# Altium PCB PCB-Tester-Board-V1.PcbDoc (part 2 of 7) (continued)
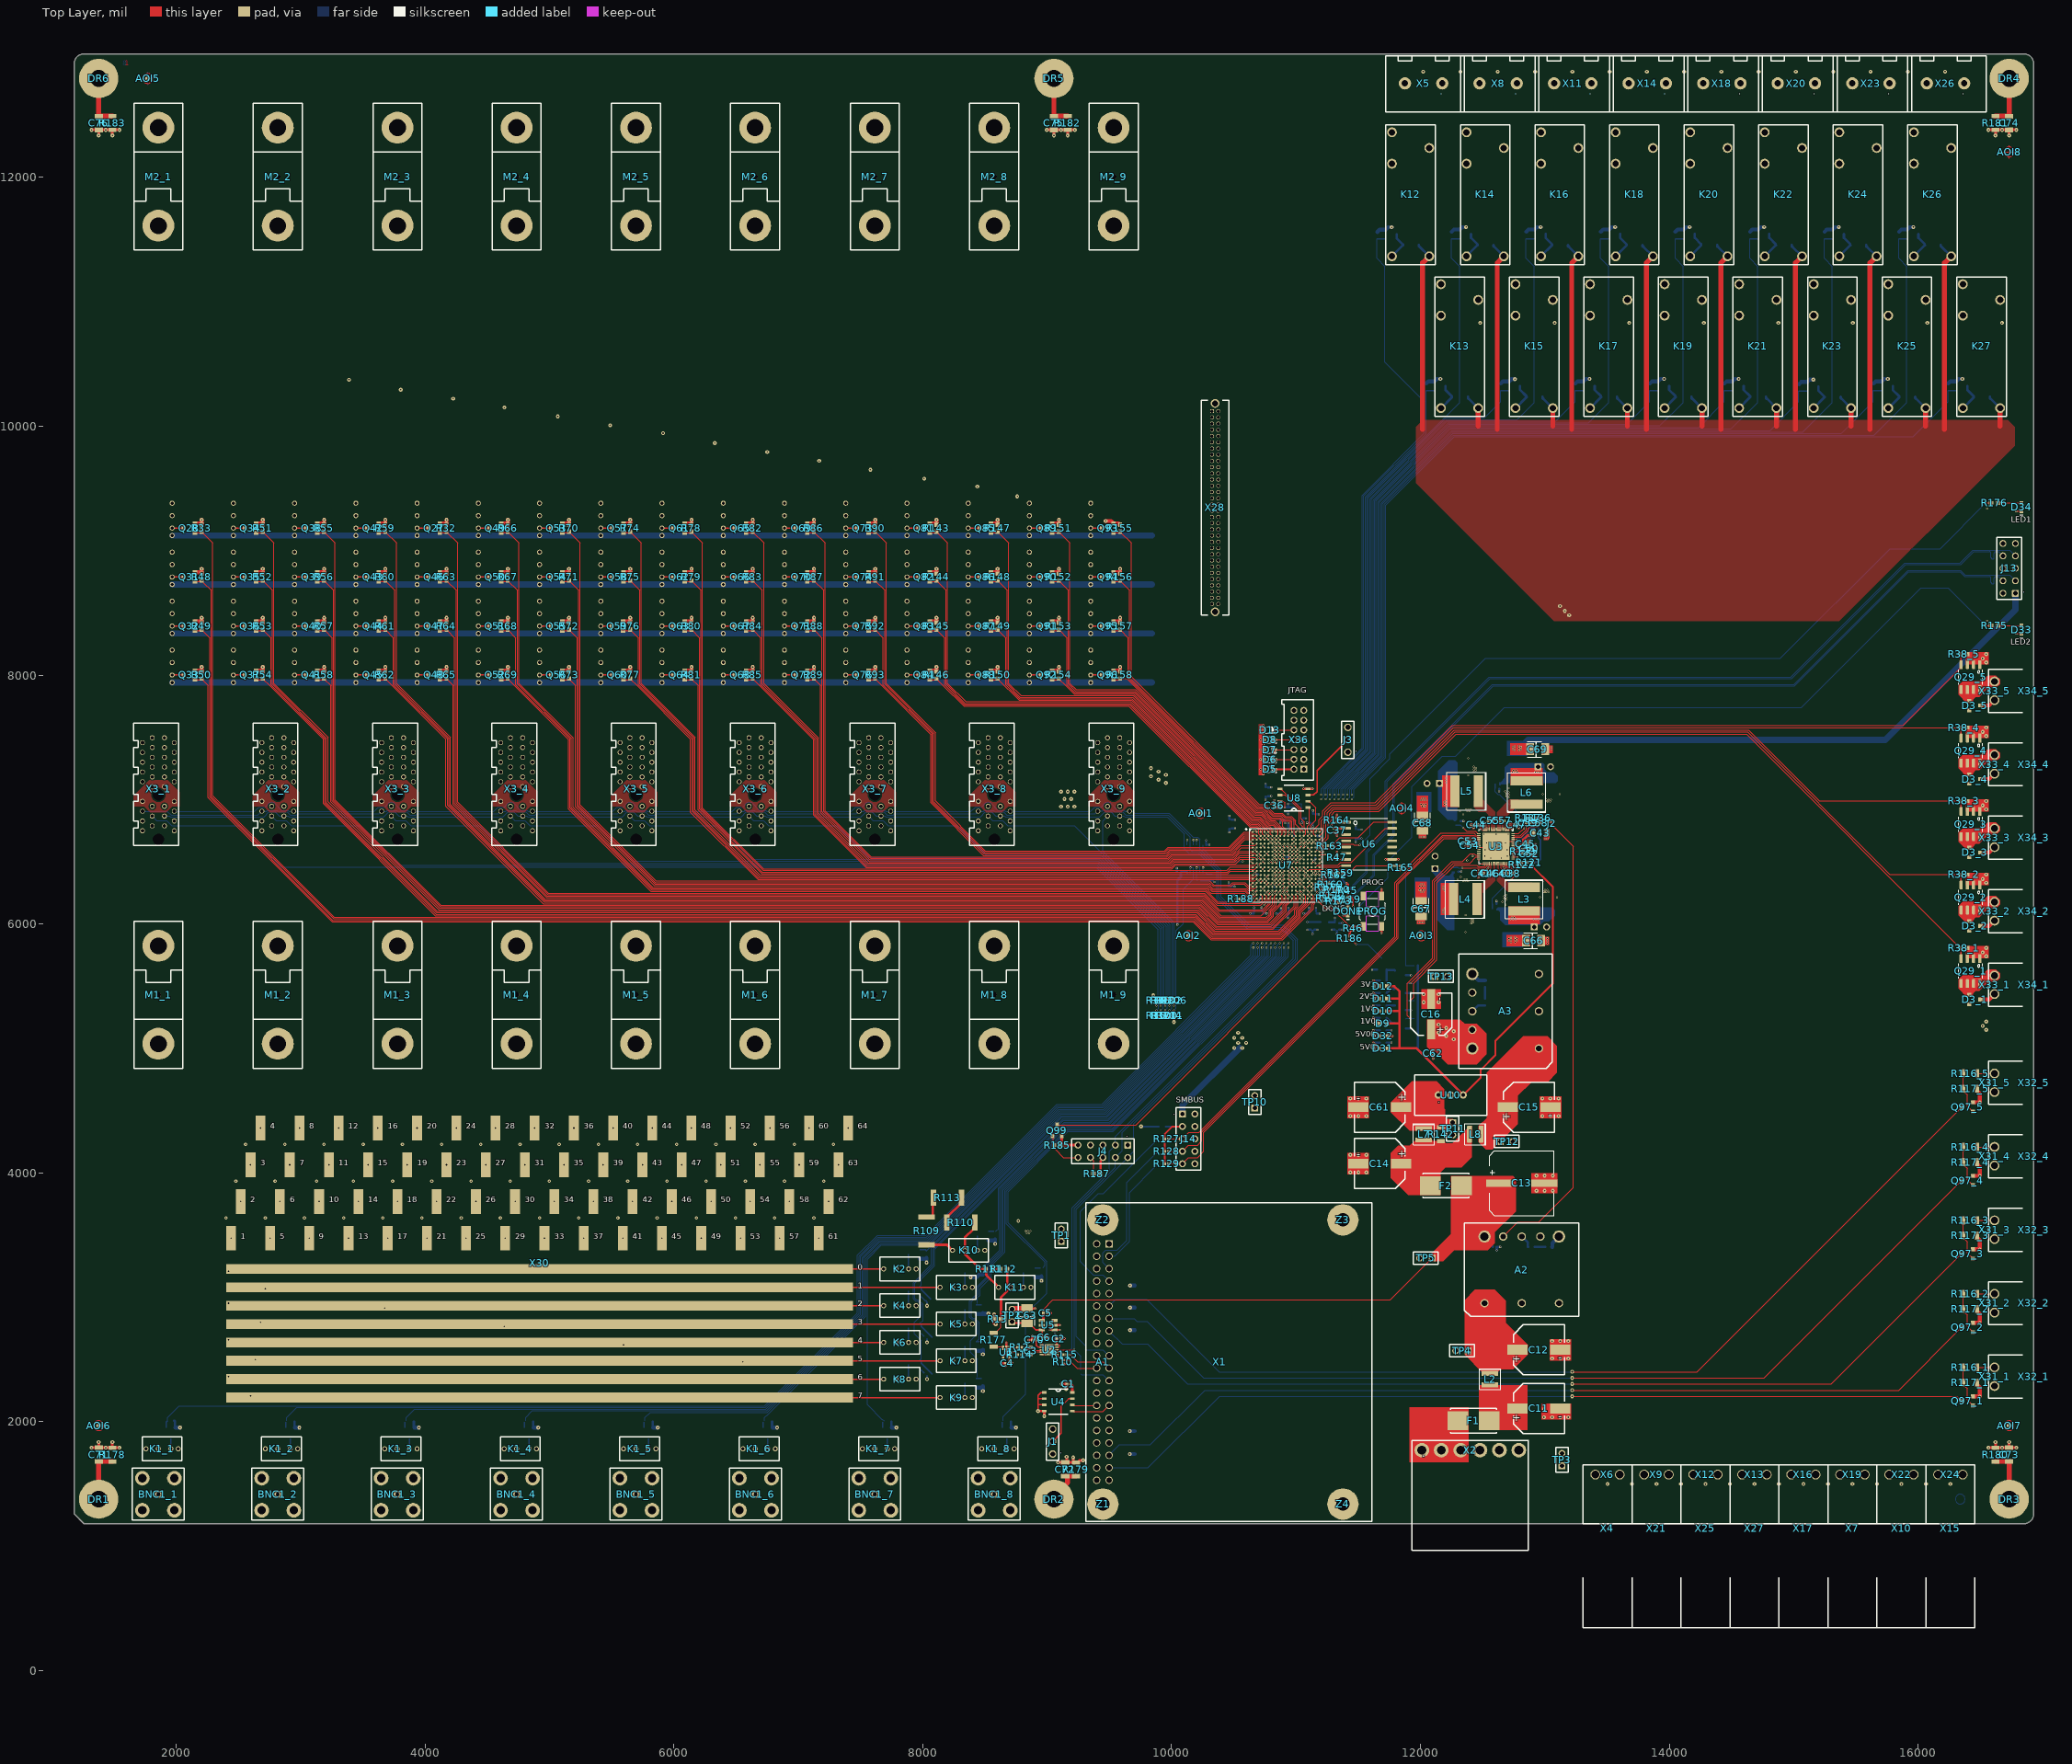
[diagram p0: Top Layer view]
## Footprints (in the part's own frame and the unit in brackets; to place one, negate y for a bottom-side part, rotate by r counter-clockwise, add the part's x,y. Pads: shape width x height; smd on the part's side, far side on the other; paste and mask are expansions set on the pad) (continued)
CAP_TAN_B [mm] "Tantalum capacitor in case B"
  rect 1.6x2.4 smd mask+0.05: 1(-1.55,0) 2(1.55,0)
  silkscreen extent -2.1,-1.6 0.8,1.6, body extent -1.9,-1.5 1.9,1.5, height 2.1
CONFIG64 [mm] "PCB Tester Configuration area (64 relays)"
  rect 2x5 smd: 1(-63,-11.25) 2(-61,-3.75) 3(-59,3.75) 4(-57,11.25) 5(-55,-11.25) 6(-53,-3.75) 7(-51,3.75) 8(-49,11.25) 9(-47,-11.25) 10(-45,-3.75) 11(-43,3.75) 12(-41,11.25) 13(-39,-11.25) 14(-37,-3.75) 15(-35,3.75) 16(-33,11.25) 17(-31,-11.25) 18(-29,-3.75) 19(-27,3.75) 20(-25,11.25) 21(-23,-11.25) 22(-21,-3.75) 23(-19,3.75) 24(-17,11.25) 25(-15,-11.25) 26(-13,-3.75) 27(-11,3.75) 28(-9,11.25) 29(-7,-11.25) 30(-5,-3.75) 31(-3,3.75) 32(-1,11.25) 33(1,-11.25) 34(3,-3.75) 35(5,3.75) 36(7,11.25) 37(9,-11.25) 38(11,-3.75) 39(13,3.75) 40(15,11.25) 41(17,-11.25) 42(19,-3.75) 43(21,3.75) 44(23,11.25) 45(25,-11.25) 46(27,-3.75) 47(29,3.75) 48(31,11.25) 49(33,-11.25) 50(35,-3.75) 51(37,3.75) 52(39,11.25) 53(41,-11.25) 54(43,-3.75) 55(45,3.75) 56(47,11.25) 57(49,-11.25) 58(51,-3.75) 59(53,3.75) 60(55,11.25) 61(57,-11.25) 62(59,-3.75) 63(61,3.75) 64(63,11.25)
  rect 128x2 smd paste-100: ABUS0(0,-17.5) ABUS1(0,-21.25) ABUS2(0,-25) ABUS3(0,-28.75) ABUS4(0,-32.5) ABUS5(0,-36.25) ABUS6(0,-40) ABUS7(0,-43.75)
"DUALTESTPOINT 100MILS" [mm] "Testpoint"
  rrect15% 1.4x1.4 hole 0.9: 1(-1.27,0)
  round 1.4 hole 0.9: 2(1.27,0)
  silkscreen extent -2.54,-1.27 2.54,1.27
FB0805 [mm] "SMT Ferrite Bead 0805"
  rect 0.8x1.3 smd: 1(-0.9,0) 2(0.9,0)
  body extent -1.15,-0.63 1.15,0.64, height 1.05
"Fiducial Cross" [mil]
  Top Layer circle w5.91: c0,0 r39.37
  Top Layer lines w5.91: 0,51.18 0,-51.18 ; -51.18,0 51.18,0
"Fiducial Point" [mm]
  round 1 smd paste+0 mask+0: 0(0,0)
  Top Layer circle w0.15: c0,0 r1
"Header 100mil 3x1" [mil] "HMTSW-103-07-G-S-240"
  round 60 hole 40: 1(-100,0) 2(0,0) 3(100,0)
  silkscreen extent -150,-50 150,50, body extent -150,-49 150,49, height 340
"Header 100mil 5x2" [mm]
  rrect15% 1.4x1.4 hole 0.9: 1(-5.08,-1.27)
  round 1.4 hole 0.9: 2(-5.08,1.27) 3(-2.54,-1.27) 4(-2.54,1.27) 5(0,-1.27) 6(0,1.27) 7(2.54,-1.27) 8(2.54,1.27) 9(5.08,-1.27) 10(5.08,1.27)
  silkscreen extent -6.35,-2.54 6.35,2.51, body extent -6.35,-2.51 6.35,2.51, height 8.64
HF118F005-1ZS1 [mm] "Power Relay (Switch Over)"
  round 2 hole 1.3 paste-5: 1(-12.55,-3.81) 2(9.55,-3.81) 3(12.75,3.81) 4(6.35,3.81) 5(-12.55,3.81)
  silkscreen extent -14.25,-5.05 14.25,5.05, body extent -14.25,-5.05 14.25,5.05, height 12.2
HOLE_3.4mm [mm]
  round 8 hole 3.4: 1(0,0)
HSM2.5-6.4-16-2 [mil] "M2.5 x 16 mm hex standoff"
  body extent -145,-126 145,126, height 630
I3A-POSETIVE [mm]
  round 1.7 hole 1.2 paste+0: 1(-6.8,7.6) 2(-6.8,0) 3(-6.8,-7.6) 5(6.8,-3.8) 6(6.8,0) 7(6.8,3.8)
  round 2.5 hole 1.7 paste+0: 4(6.8,-7.6) 8(6.8,7.6)
  silkscreen extent -9.49,-11.68 9.56,11.68, body extent -9.49,-11.68 9.56,11.68, height 9.54
JumperSMD [mm] "Chip Resistor, Body 1.6x0.8mm (LxW typ), IPC High Density"
  rect 1.2x1 smd: 1(-0.711,0) 2(0.711,0)
  body extent -0.89,-0.4 0.71,0.4, height 0.45
L0603G [mm] "LTST-C191KGKT"
  rect 0.8x0.8 smd: 1(-0.825,0) 2(0.825,0)
  silkscreen extent 1.7,-0.3 1.7,0.3, body extent -0.8,-0.4 0.8,0.4, height 0.8
LTMM-107-02-F-D [mm] "CONN HEADER VERT 14POS 2MM (Xilinx JTAG)"
  rect 1.4x1.4 hole 0.9 paste+0: 1(-6,-1)
  round 1.4 hole 0.9 paste+0: 2(-6,1) 3(-4,-1) 4(-4,1) 5(-2,-1) 6(-2,1) 7(0,-1) 8(0,1) 9(2,-1) 10(2,1) 11(4,-1) 12(4,1) 13(6,-1) 14(6,1)
  silkscreen extent -8.19,-3.01 8.19,3.52, body extent -8.19,-3.01 8.19,3.52, height 4.83
NT0201 [mm] "10 mil"
  rect 0.3x0.3 smd paste-1 mask+0.102: 1(-0.3,0) 2(0.3,0)
  Top Layer lines w0.254: 0.3,0 -0.3,0
OMNI-Fuse [mm] "SMD2 Fuse Clip"
  rect 4.24x3.81 smd: 1(-3.19,0) 2(3.19,0)
  silkscreen extent -4.7,-2.5 4.7,2.5, body extent -4.92,-2.51 4.91,2.52, height 3.81
"PCB Tester Support" [mm]
  round 6.5 hole 3.4 unplated paste-1: 0(-10,0) 0(10,0)
  round 1 hole 1.1 unplated paste-1: 0(0,0)
  silkscreen extent -15,-5 15,5, body extent -15,-5 15,5, height 133
PCIE-036-02-F-D-TH [mm] "CONN PCI EXP FMALE 36POS 0.039"
  round 1 hole 2.35 unplated paste-2: 0(-9.15,0) 0(0,0)
  round 1 hole 0.7 paste-2: A1(11.65,-1.25) A2(10.65,-3.25) A3(9.65,-1.25) A4(8.65,-3.25) A5(7.65,-1.25) A6(6.65,-3.25) A7(5.65,-1.25) A8(4.65,-3.25) A9(3.65,-1.25) A10(2.65,-3.25) A11(1.65,-1.25) A12(-1.35,-3.25) A13(-2.35,-1.25) A14(-3.35,-3.25) A15(-4.35,-1.25) A16(-5.35,-3.25) A17(-6.35,-1.25) A18(-7.35,-3.25) B1(11.65,1.25) B2(10.65,3.25) B3(9.65,1.25) B4(8.65,3.25) B5(7.65,1.25) B6(6.65,3.25) B7(5.65,1.25) B8(4.65,3.25) B9(3.65,1.25) B10(2.65,3.25) B11(1.65,1.25) B12(-1.35,3.25) B13(-2.35,1.25) B14(-3.35,3.25) B15(-4.35,1.25) B16(-5.35,3.25) B17(-6.35,1.25) B18(-7.35,3.25)
  silkscreen extent -10.36,-4.1 14.64,5.05, body extent -10.36,-3.65 14.64,5.05, height 11.01
QFN4-7x7-56_IRPS5401M [mm] "QFN, 7x7mm, 56 pins, pitch 0.4mm, IRPS5401 version"
  rrect33% 0.7x0.22 smd: 1(-3.5,2.2) 1(-3.5,1.8) 4(-3.5,1.4) 5(-3.5,0.2) 5(-3.5,0.6) 5(-3.5,1) 8(-3.5,-1) 8(-3.5,-0.6) 8(-3.5,-0.2) 11(-3.5,-1.4) 12(-3.5,-1.8) 12(-3.5,-2.6) 12(-3.5,-2.2) 29(3.5,-2.6) 30(3.5,-2.2) 31(3.5,-1.8) 32(3.5,-1.4) 33(3.5,-1) 34(3.5,-0.6) 34(3.5,-0.2) 36(3.5,0.2) 36(3.5,0.6) 38(3.5,1) 39(3.5,1.4) 40(3.5,1.8) 41(3.5,2.2) 42(3.5,2.6)
  rect 0.7x0.22 smd: 1(-3.5,2.6)
  rect 0.31x1.02 smd: 1(-3.3,2.2) 5(-3.3,0.6) 8(-3.3,-0.6) 12(-3.3,-2.2)
  rrect33% 0.22x0.7 smd: 15(-2.6,-3.5) 16(-2.2,-3.5) 17(-1.8,-3.5) 18(-1.4,-3.5) 19(-1,-3.5) 20(-0.6,-3.5) 21(-0.2,-3.5) 22(0.2,-3.5) 23(0.6,-3.5) 24(1,-3.5) 25(1.4,-3.5) 26(1.8,-3.5) 27(2.2,-3.5) 28(2.6,-3.5) 43(2.6,3.5) 44(2.2,3.5) 45(1.8,3.5) 46(1.4,3.5) 47(1,3.5) 48(0.6,3.5) 49(0.2,3.5) 50(-0.2,3.5) 51(-0.6,3.5) 52(-1,3.5) 53(-1.4,3.5) 54(-1.8,3.5) 55(-2.2,3.5) 56(-2.6,3.5)
  rect 0.31x0.62 smd: 34(3.3,-0.4) 36(3.3,0.4)
  rect 5.5x5.5 smd: 57(0,0)
  silkscreen extent -3.6,-3.5 3.5,3.6, body extent -3.5,-3.5 3.5,3.5, height 1
"R0402 Reflow" [mm] "SMT Resistor 0402 Reflow Soldering"
  rect 0.55x0.55 smd: 1(-0.4,0) 2(0.4,0)
  body extent -0.5,-0.25 0.5,0.25, height 0.35
"R0603 Reflow" [mm] "SMT Resistor 0603 Reflow Soldering"
  rect 0.9x0.8 smd: 1(-0.7,0) 2(0.7,0)
  body extent -0.8,-0.4 0.8,0.4, height 0.45
"R1206 Reflow" [mm] "Chip Resistor, Body 3.2x1.6mm (LxW typ), IPC High Density"
  rect 0.85x1.65 smd: 1(-1.4,0) 2(1.4,0)
  body extent -1.68,-0.87 1.68,0.87, height 0.71
"R2512 REFLOW" [mm] "Chip Resistor, Body 6.3x3.2mm (LxW typ), IPC High Density"
  rect 1.1x3.3 smd: 1(-2.85,0) 2(2.85,0)
  body extent -3.22,-1.68 3.22,1.68, height 0.71
RPI4B [mil] "Raspberry Pi 4B"
  body extent -1280,-138 2224,2161, height 779
"RPI4B Footprint" [mm] "Footprint for Raspberry Pi 4B"
  round 6.4 hole 2.7 unplated paste-6.5: 0(-29,49) 0(-29,0) 0(29,49) 0(29,0)
  rect 1.5x1.5 hole 1.1 paste-2: 1(-24.13,1.27)
  round 1.5 hole 1.1 paste-2: 2(-24.13,-1.27) 3(-21.59,1.27) 4(-21.59,-1.27) 5(-19.05,1.27) 6(-19.05,-1.27) 7(-16.51,1.27) 8(-16.51,-1.27) 9(-13.97,1.27) 10(-13.97,-1.27) 11(-11.43,1.27) 12(-11.43,-1.27) 13(-8.89,1.27) 14(-8.89,-1.27) 15(-6.35,1.27) 16(-6.35,-1.27) 17(-3.81,1.27) 18(-3.81,-1.27) 19(-1.27,1.27) 20(-1.27,-1.27) 21(1.27,1.27) 22(1.27,-1.27) 23(3.81,1.27) 24(3.81,-1.27) 25(6.35,1.27) 26(6.35,-1.27) 27(8.89,1.27) 28(8.89,-1.27) 29(11.43,1.27) 30(11.43,-1.27) 31(13.97,1.27) 32(13.97,-1.27) 33(16.51,1.27) 34(16.51,-1.27) 35(19.05,1.27) 36(19.05,-1.27) 37(21.59,1.27) 38(21.59,-1.27) 39(24.13,1.27) 40(24.13,-1.27)
  silkscreen extent -32.5,-3.5 32.5,54.9, body extent -25.65,-2.54 25.65,2.54, height 13.59
SC70-5 [mm]
  rect 0.47x1 smd: 1(-0.65,-0.9) 2(0,-0.9) 3(0.65,-0.9) 4(0.65,0.9) 5(-0.65,0.9)
  body extent -1,-1.05 1,1.05, height 0.95
SKQGABE010 [mm] "5.2mm square low-profile TACT switch"
  rect 1.8x1 smd: 1(-3.1,1.85) 2(3.1,1.85) 3(-3.1,-1.85) 4(3.1,-1.85)
  Top Layer keep-out region: -1,1.3 -4,1.3 -4,-1.3 -1,-1.3
  Top Layer keep-out region: 1,-1.3 4,-1.3 4,1.3 1,1.3
  silkscreen extent -2.6,-2.6 2.6,2.6, body extent -3.2,-2.6 3.2,2.6, height 1.5
SMD-CAP-ALU-E [mm] "Ř8.0mm x 6.2mm"
  rect 4x1.6 smd: 1(3.1,0) 2(-3.1,0)
  silkscreen extent -4.3,-4.2 4.3,4.2, body extent -4.5,-4.15 4.5,4.15, height 6.2
SMD-CAP-ALU-G [mm] "Ř10.0mm x 10.2mm"
  rect 4.1x2 smd: 1(4.35,0) 2(-4.35,0)
  silkscreen extent -5.2,-5.1 5.2,5.1, body extent -5.8,-5.15 5.8,5.15, height 10.2
SOD123 [mil]
  rect 35.98x47.99 smd: 1(-64.5,0) 2(64.5,0)
  silkscreen extent -40,-35 40,35, body extent -55,-35 55,35, height 47
SOD323 [mm]
  rect 0.6x0.6 smd: 1(-1.1,0) 2(1.1,0)
  silkscreen extent -0.91,-0.69 1.33,0.73, body extent -0.9,-0.67 0.9,0.67, height 1.1
"SOIC8 (R-8)" [mil] "Generic 8 lead SOIC Narrow Body"
  rect 20x39 smd: 1(-75,-113) 2(-25,-113) 3(25,-113) 4(75,-113) 5(75,113) 6(25,113)
  rect 20x40 smd: 7(-25,113) 8(-75,113)
  silkscreen extent -102,-79 102,79, body extent -98,-122 98,122, height 69
SOIC-8_MOSFET [mm] "8 lead SOIC with pin numbering for MOSFET"
  rrect50% 1.8x0.65 smd paste+0 mask+0.05: 1(-2.55,-1.905) 2(-2.55,-0.635) 2(-2.55,0.635) 3(2.55,1.905) 3(2.55,-0.635) 3(2.55,0.635) 3(2.55,-1.905)
  rect 1.8x0.65 smd paste+0 mask+0.05: 2(-2.55,1.905)
  silkscreen extent -1.5,-2.45 1.5,2.45, body extent -3,-2.45 3,2.45, height 1.75
SOICW-16 [mm] "16-lead wide SOIC package"
  rect 1.98x0.53 smd: 1(-4.685,4.445)
  rrect50% 1.98x0.53 smd: 2(-4.685,3.175) 3(-4.685,1.905) 4(-4.685,0.635) 5(-4.685,-0.635) 6(-4.685,-1.905) 7(-4.685,-3.175) 8(-4.685,-4.445) 9(4.685,-4.445) 10(4.685,-3.175) 11(4.685,-1.905) 12(4.685,-0.635) 13(4.685,0.635) 14(4.685,1.905) 15(4.685,3.175) 16(4.685,4.445)
  silkscreen extent -3.8,-5.25 3.8,5.25, body extent -5.33,-5.25 5.33,5.25, height 2.66
SOT23-3 [mm]
  rect 0.8x0.9 smd mask+0.1: 1(0.95,1.15) 2(-0.95,1.15) 3(0,-1.15)
  body extent -1.45,-1.4 1.45,1.4, height 1.3
TDFN10EP [mm] "Microchip TDFN 10 pins, exposed pad"
  rect 0.3x0.8 smd: 1(-1,-1.5) 2(-0.5,-1.5) 3(0,-1.5) 4(0.5,-1.5) 5(1,-1.5) 6(1,1.5) 7(0.5,1.5) 8(0,1.5) 9(-0.5,1.5) 10(-1,1.5)
  rect 2.3x1.8 smd: 11(0,0)
  body extent -1.5,-1.5 1.5,1.5, height 0.75
TFC-132-01-F-D-LA [mm] "64 pin box header right angled"
  round 1.778 hole 1.19 unplated paste-1.19: 0(-21.275,0) 0(21.275,0)
  rect 0.8x0.8 hole 0.635 paste+0: 1(-19.685,-0.635)
  round 0.8 hole 0.635 paste+0: 2(-19.685,0.635) 3(-18.415,-0.635) 4(-18.415,0.635) 5(-17.145,-0.635) 6(-17.145,0.635) 7(-15.875,-0.635) 8(-15.875,0.635) 9(-14.605,-0.635) 10(-14.605,0.635) 11(-13.335,-0.635) 12(-13.335,0.635) 13(-12.065,-0.635) 14(-12.065,0.635) 15(-10.795,-0.635) 16(-10.795,0.635) 17(-9.525,-0.635) 18(-9.525,0.635) 19(-8.255,-0.635) 20(-8.255,0.635) 21(-6.985,-0.635) 22(-6.985,0.635) 23(-5.715,-0.635) 24(-5.715,0.635) 25(-4.445,-0.635) 26(-4.445,0.635) 27(-3.175,-0.635) 28(-3.175,0.635) 29(-1.905,-0.635) 30(-1.905,0.635) 31(-0.635,-0.635) 32(-0.635,0.635) 33(0.635,-0.635) 34(0.635,0.635) 35(1.905,-0.635) 36(1.905,0.635) 37(3.175,-0.635) 38(3.175,0.635) 39(4.445,-0.635) 40(4.445,0.635) 41(5.715,-0.635) 42(5.715,0.635) 43(6.985,-0.635) 44(6.985,0.635) 45(8.255,-0.635) 46(8.255,0.635) 47(9.525,-0.635) 48(9.525,0.635)
  round 0.8 hole 0.635 paste-1: 49(10.795,-0.635) 50(10.795,0.635) 51(12.065,-0.635) 52(12.065,0.635) 53(13.335,-0.635) 54(13.335,0.635) 55(14.605,-0.635) 56(14.605,0.635) 57(15.875,-0.635) 58(15.875,0.635) 59(17.145,-0.635) 60(17.145,0.635) 61(18.415,-0.635) 62(18.415,0.635) 63(19.685,-0.635) 64(19.685,0.635)
  silkscreen extent -21.91,-2.86 21.91,2.86, body extent -21.91,-2.86 21.91,2.86, height 5.59
TSOT23-6(S6) [mm] "6-Lead Plastic TSOT-23"
  rect 0.62x1.225 smd: 1(-0.95,-1.31) 2(0,-1.31) 3(0.95,-1.31) 4(0.95,1.31) 5(0,1.31) 6(-0.95,1.31)
  body extent -1.45,-1.41 1.45,1.41, height 1
TSSOP14 [mm]
  oval 1.3x0.35 smd: 1(-2.825,1.95) 2(-2.825,1.3) 3(-2.825,0.65) 4(-2.825,0) 5(-2.825,-0.65) 6(-2.825,-1.3) 7(-2.825,-1.95) 8(2.825,-1.95) 9(2.825,-1.3) 10(2.825,-0.65) 11(2.825,0) 12(2.825,0.65) 13(2.825,1.3) 14(2.825,1.95)
  silkscreen extent -2.95,-2.55 1.78,2.8, body extent -2.25,-2.55 2.25,2.55, height 1.1
XAL4020 [mm] "Shielded Power Inductor"
  rrect12% 0.98x3.4 smd: 1(-1.185,0) 2(1.185,0)
  silkscreen extent -2.15,-2.15 2.15,2.15, body extent -2.15,-2.15 2.15,2.15, height 2.1
XAL7070 [mm] "XAL7070 series inductor"
  rect 1.9x6.5 smd: 1(-2.41,0) 2(2.41,0)
  silkscreen extent -4,-3.85 4,3.85, body extent -4,-3.85 4,3.85, height 7
XC7A15T-1CSG324C [mm] "BGA, 324-Leads, Body 15.00x15.00mmx1.50mm, Pitch 0.80mm"
  round 0.41 smd: A1(-6.8,6.8) A2(-6,6.8) A3(-5.2,6.8) A4(-4.4,6.8) A5(-3.6,6.8) A6(-2.8,6.8) A7(-2,6.8) A8(-1.2,6.8) A9(-0.4,6.8) A10(0.4,6.8) A11(1.2,6.8) A12(2,6.8) A13(2.8,6.8) A14(3.6,6.8) A15(4.4,6.8) A16(5.2,6.8) A17(6,6.8) A18(6.8,6.8) B1(-6.8,6) B2(-6,6) B3(-5.2,6) B4(-4.4,6) B5(-3.6,6) B6(-2.8,6) B7(-2,6) B8(-1.2,6) B9(-0.4,6) B10(0.4,6) B11(1.2,6) B12(2,6) B13(2.8,6) B14(3.6,6) B15(4.4,6) B16(5.2,6) B17(6,6) B18(6.8,6) C1(-6.8,5.2) C2(-6,5.2) C3(-5.2,5.2) C4(-4.4,5.2) C5(-3.6,5.2) C6(-2.8,5.2) C7(-2,5.2) C8(-1.2,5.2) C9(-0.4,5.2) C10(0.4,5.2) C11(1.2,5.2) C12(2,5.2) C13(2.8,5.2) C14(3.6,5.2) C15(4.4,5.2) C16(5.2,5.2) C17(6,5.2) C18(6.8,5.2) D1(-6.8,4.4) D2(-6,4.4) D3(-5.2,4.4) D4(-4.4,4.4) D5(-3.6,4.4) D6(-2.8,4.4) D7(-2,4.4) D8(-1.2,4.4) D9(-0.4,4.4) D10(0.4,4.4) D11(1.2,4.4) D12(2,4.4) D13(2.8,4.4) D14(3.6,4.4) D15(4.4,4.4) D16(5.2,4.4) D17(6,4.4) D18(6.8,4.4) E1(-6.8,3.6) E2(-6,3.6) E3(-5.2,3.6) E4(-4.4,3.6) E5(-3.6,3.6) E6(-2.8,3.6) E7(-2,3.6) E8(-1.2,3.6) E9(-0.4,3.6) E10(0.4,3.6) E11(1.2,3.6) E12(2,3.6) E13(2.8,3.6) E14(3.6,3.6) E15(4.4,3.6) E16(5.2,3.6) E17(6,3.6) E18(6.8,3.6) F1(-6.8,2.8) F2(-6,2.8) F3(-5.2,2.8) F4(-4.4,2.8) F5(-3.6,2.8) F6(-2.8,2.8) F7(-2,2.8) F8(-1.2,2.8) F9(-0.4,2.8) F10(0.4,2.8) F11(1.2,2.8) F12(2,2.8) F13(2.8,2.8) F14(3.6,2.8) F15(4.4,2.8) F16(5.2,2.8) F17(6,2.8) F18(6.8,2.8) G1(-6.8,2) G2(-6,2) G3(-5.2,2) G4(-4.4,2) G5(-3.6,2) G6(-2.8,2) G7(-2,2) G8(-1.2,2) G9(-0.4,2) G10(0.4,2) G11(1.2,2) G12(2,2) G13(2.8,2) G14(3.6,2) G15(4.4,2) G16(5.2,2) G17(6,2) G18(6.8,2) H1(-6.8,1.2) H2(-6,1.2) H3(-5.2,1.2) H4(-4.4,1.2) H5(-3.6,1.2) H6(-2.8,1.2) H7(-2,1.2) H8(-1.2,1.2) H9(-0.4,1.2) H10(0.4,1.2) H11(1.2,1.2) H12(2,1.2) H13(2.8,1.2) H14(3.6,1.2) H15(4.4,1.2) H16(5.2,1.2) H17(6,1.2) H18(6.8,1.2) J1(-6.8,0.4) J2(-6,0.4) J3(-5.2,0.4) J4(-4.4,0.4) J5(-3.6,0.4) J6(-2.8,0.4) J7(-2,0.4) J8(-1.2,0.4) J9(-0.4,0.4) J10(0.4,0.4) J11(1.2,0.4) J12(2,0.4) J13(2.8,0.4) J14(3.6,0.4) J15(4.4,0.4) J16(5.2,0.4) J17(6,0.4) J18(6.8,0.4) K1(-6.8,-0.4) K2(-6,-0.4) K3(-5.2,-0.4) K4(-4.4,-0.4) K5(-3.6,-0.4) K6(-2.8,-0.4) K7(-2,-0.4) K8(-1.2,-0.4) K9(-0.4,-0.4) K10(0.4,-0.4) K11(1.2,-0.4) K12(2,-0.4) K13(2.8,-0.4) K14(3.6,-0.4) K15(4.4,-0.4) K16(5.2,-0.4) K17(6,-0.4) K18(6.8,-0.4) L1(-6.8,-1.2) L2(-6,-1.2) L3(-5.2,-1.2) L4(-4.4,-1.2) L5(-3.6,-1.2) L6(-2.8,-1.2) L7(-2,-1.2) L8(-1.2,-1.2) L9(-0.4,-1.2) L10(0.4,-1.2) L11(1.2,-1.2) L12(2,-1.2) L13(2.8,-1.2) L14(3.6,-1.2) L15(4.4,-1.2) L16(5.2,-1.2) L17(6,-1.2) L18(6.8,-1.2) M1(-6.8,-2) M2(-6,-2) M3(-5.2,-2) M4(-4.4,-2) M5(-3.6,-2) M6(-2.8,-2) M7(-2,-2) M8(-1.2,-2) M9(-0.4,-2) M10(0.4,-2) M11(1.2,-2) M12(2,-2) M13(2.8,-2) M14(3.6,-2) M15(4.4,-2) M16(5.2,-2) M17(6,-2) M18(6.8,-2) N1(-6.8,-2.8) N2(-6,-2.8) N3(-5.2,-2.8) N4(-4.4,-2.8) N5(-3.6,-2.8) N6(-2.8,-2.8) N7(-2,-2.8) N8(-1.2,-2.8) N9(-0.4,-2.8) N10(0.4,-2.8) N11(1.2,-2.8) N12(2,-2.8) N13(2.8,-2.8) N14(3.6,-2.8) N15(4.4,-2.8) N16(5.2,-2.8) N17(6,-2.8) N18(6.8,-2.8) P1(-6.8,-3.6) P2(-6,-3.6) P3(-5.2,-3.6) P4(-4.4,-3.6) P5(-3.6,-3.6) P6(-2.8,-3.6) P7(-2,-3.6) P8(-1.2,-3.6) P9(-0.4,-3.6) P10(0.4,-3.6) P11(1.2,-3.6) P12(2,-3.6) P13(2.8,-3.6) P14(3.6,-3.6) P15(4.4,-3.6) P16(5.2,-3.6) P17(6,-3.6) P18(6.8,-3.6) R1(-6.8,-4.4) R2(-6,-4.4) R3(-5.2,-4.4) R4(-4.4,-4.4) R5(-3.6,-4.4) R6(-2.8,-4.4) R7(-2,-4.4) R8(-1.2,-4.4) R9(-0.4,-4.4) R10(0.4,-4.4) R11(1.2,-4.4) R12(2,-4.4) R13(2.8,-4.4) R14(3.6,-4.4) R15(4.4,-4.4) R16(5.2,-4.4) R17(6,-4.4) R18(6.8,-4.4) T1(-6.8,-5.2) T2(-6,-5.2) T3(-5.2,-5.2) T4(-4.4,-5.2) T5(-3.6,-5.2) T6(-2.8,-5.2) T7(-2,-5.2) T8(-1.2,-5.2) T9(-0.4,-5.2) T10(0.4,-5.2) T11(1.2,-5.2) T12(2,-5.2) T13(2.8,-5.2) T14(3.6,-5.2) T15(4.4,-5.2) T16(5.2,-5.2) T17(6,-5.2) T18(6.8,-5.2) U1(-6.8,-6) U2(-6,-6) U3(-5.2,-6) U4(-4.4,-6) U5(-3.6,-6) U6(-2.8,-6) U7(-2,-6) U8(-1.2,-6) U9(-0.4,-6) U10(0.4,-6) U11(1.2,-6) U12(2,-6) U13(2.8,-6) U14(3.6,-6) U15(4.4,-6) U16(5.2,-6) U17(6,-6) U18(6.8,-6) V1(-6.8,-6.8) V2(-6,-6.8) V3(-5.2,-6.8) V4(-4.4,-6.8) V5(-3.6,-6.8) V6(-2.8,-6.8) V7(-2,-6.8) V8(-1.2,-6.8) V9(-0.4,-6.8) V10(0.4,-6.8) V11(1.2,-6.8) V12(2,-6.8) V13(2.8,-6.8) V14(3.6,-6.8) V15(4.4,-6.8) V16(5.2,-6.8) V17(6,-6.8) V18(6.8,-6.8)
  silkscreen extent -8.27,-7.5 7.5,7.5, body extent -7.5,-7.5 7.5,7.5, height 1.5

## Part data
A1: library part RPI4B, "RASPBERRY PI 4 MODEL B 4GB SDRAM", 02. Distributor Part Number=1690-RASPBERRYPI4B/4GB-ND, 04. Manufacturer="Raspberry Pi", 07. Manufacturer  Part Number="RASPBERRY PI 4B/4GB", 01. Distributor=DigiKey, 03. Unit Price=60.53, 13. Created Date/Name="??? / Hören", ComponentLink1Description=Info, ComponentLink1URL=https://www.digikey.de/products/en/development-boards-kits-programmers/evaluation-boards-embedded-mcu-dsp/786?k=Raspberry&k=&pkeyword=Raspberry&sv=0&pv1742=392511&sf=0&FV=-8%7C786&quantity=&ColumnSort=0&page=1&pageSize=25, ComponentLink2Description=DataSheet, ComponentLink2URL=https://www.raspberrypi.org/documentation/hardware/raspberrypi/bcm2711/rpi_DATA_2711_1p0_preliminary.pdf
A2: library part i3A4W005A150V-001-R, "DC DC CONVERTER 5-30V 135W", 02. Distributor Part Number=285-2719-ND, 04. Manufacturer="TDK-Lambda Americas Inc.", 07. Manufacturer  Part Number=I3A4W005A150V-001-R, 01. Distributor=Digi-Key, 03. Unit Price=20.18, 13. Created Date/Name="AUG 2018 / Hören", ComponentLink1Description=Info, ComponentLink1URL=https://www.digikey.de/products/en/power-supplies-board-mount/dc-dc-converters/922?k=i3A4W005A150V, ComponentLink2Description=DataSheet, ComponentLink2URL=https://www.us.tdk-lambda.com/ftp/specs/i3a_full_datasheet.pdf?ref_disty=digikey, Efficiency=η≈90%, NicName=i3A4W005A150V-001-R
A3: library part i3A4W008A033V-001-R, "DC DC CONVERTER 3.3-16.5V", 02. Distributor Part Number=285-2720-ND, 04. Manufacturer="TDK-Lambda Americas Inc.", 07. Manufacturer  Part Number=I3A4W008A033V-001-R, 01. Distributor=DigiKey, 03. Unit Price=20.58, 11. RoHS=YES, 13. Created Date/Name="AUG 2018 / Hören", ComponentLink1Description=Info, ComponentLink1URL=https://www.digikey.de/products/en?keywords=I3A4W008A033V-001-R, ComponentLink2Description=DataSheet, ComponentLink2URL=https://www.us.tdk-lambda.com/ftp/specs/i3a_full_datasheet.pdf?ref_disty=digikey, NicName=I3A4W008A033V-001-R
AOI1 AOI2 AOI3 AOI4 AOI5 AOI6 AOI7 AOI8 AOI9 AOI10 AOI11 AOI12: library part Fiducial, "Assembly AOI", 02. Distributor Part Number=N/A, 01. Distributor=N/A, 03. Unit Price=N/A, 04. Manufacturer=N/A, 05. Quantity=N/A, 06. Data Sheet=N/A, 07. Manufacturer  Part Number=N/A, 08. Inhouse Stock=N/A, 09. Operating Temperature=N/A, 10. Weight=N/A, 11. RoHS=N/A, 12.UL94 Flammability=N/A, 13. Created Date/Name=AUG2018/Hören, ComponentLink1Description=Info, ComponentLink2Description=Info
  AOI1 AOI2 AOI3 AOI5 AOI6 AOI7: Shape="Point Top"
  AOI4 AOI8: Shape="Cross Top"
  AOI9 AOI10 AOI11: Shape="Point Bot"
  AOI12: Shape="Cross Bot"
BNC1_1 BNC1_2 BNC1_3 BNC1_4 BNC1_5 BNC1_6 BNC1_7 BNC1_8: library part BNC, "BNC Connector", 02. Distributor Part Number=ACX1985-ND, 04. Manufacturer="Amphenol RF", 07. Manufacturer  Part Number=112778, 01. Distributor=DigiKey, 03. Unit Price=11.91, 13. Created Date/Name="AUG 2018 / Hören", ComponentLink1Description=Info, ComponentLink2Description=DataSheet, ComponentLink3Description=FootPrint, System=Connector
C1: "CAP CER 0.1UF 25V X7R 0402", 02. Distributor Part Number=311-2077-6-ND, 04. Manufacturer=Yageo, 07. Manufacturer  Part Number=CC0402KRX7R8BB104, 09. Operating Temperature=-xx..+yy°C, Tolerance=±20%, 01. Distributor=DigiKey, 03. Unit Price=0.09, 11. RoHS=???, 13. Created Date/Name=AUG2018/Hören, ComponentLink1Description=Info, ComponentLink2Description=DataSheet